# Altium PCB PCB2.PcbDoc (part 3 of 4) (continued)
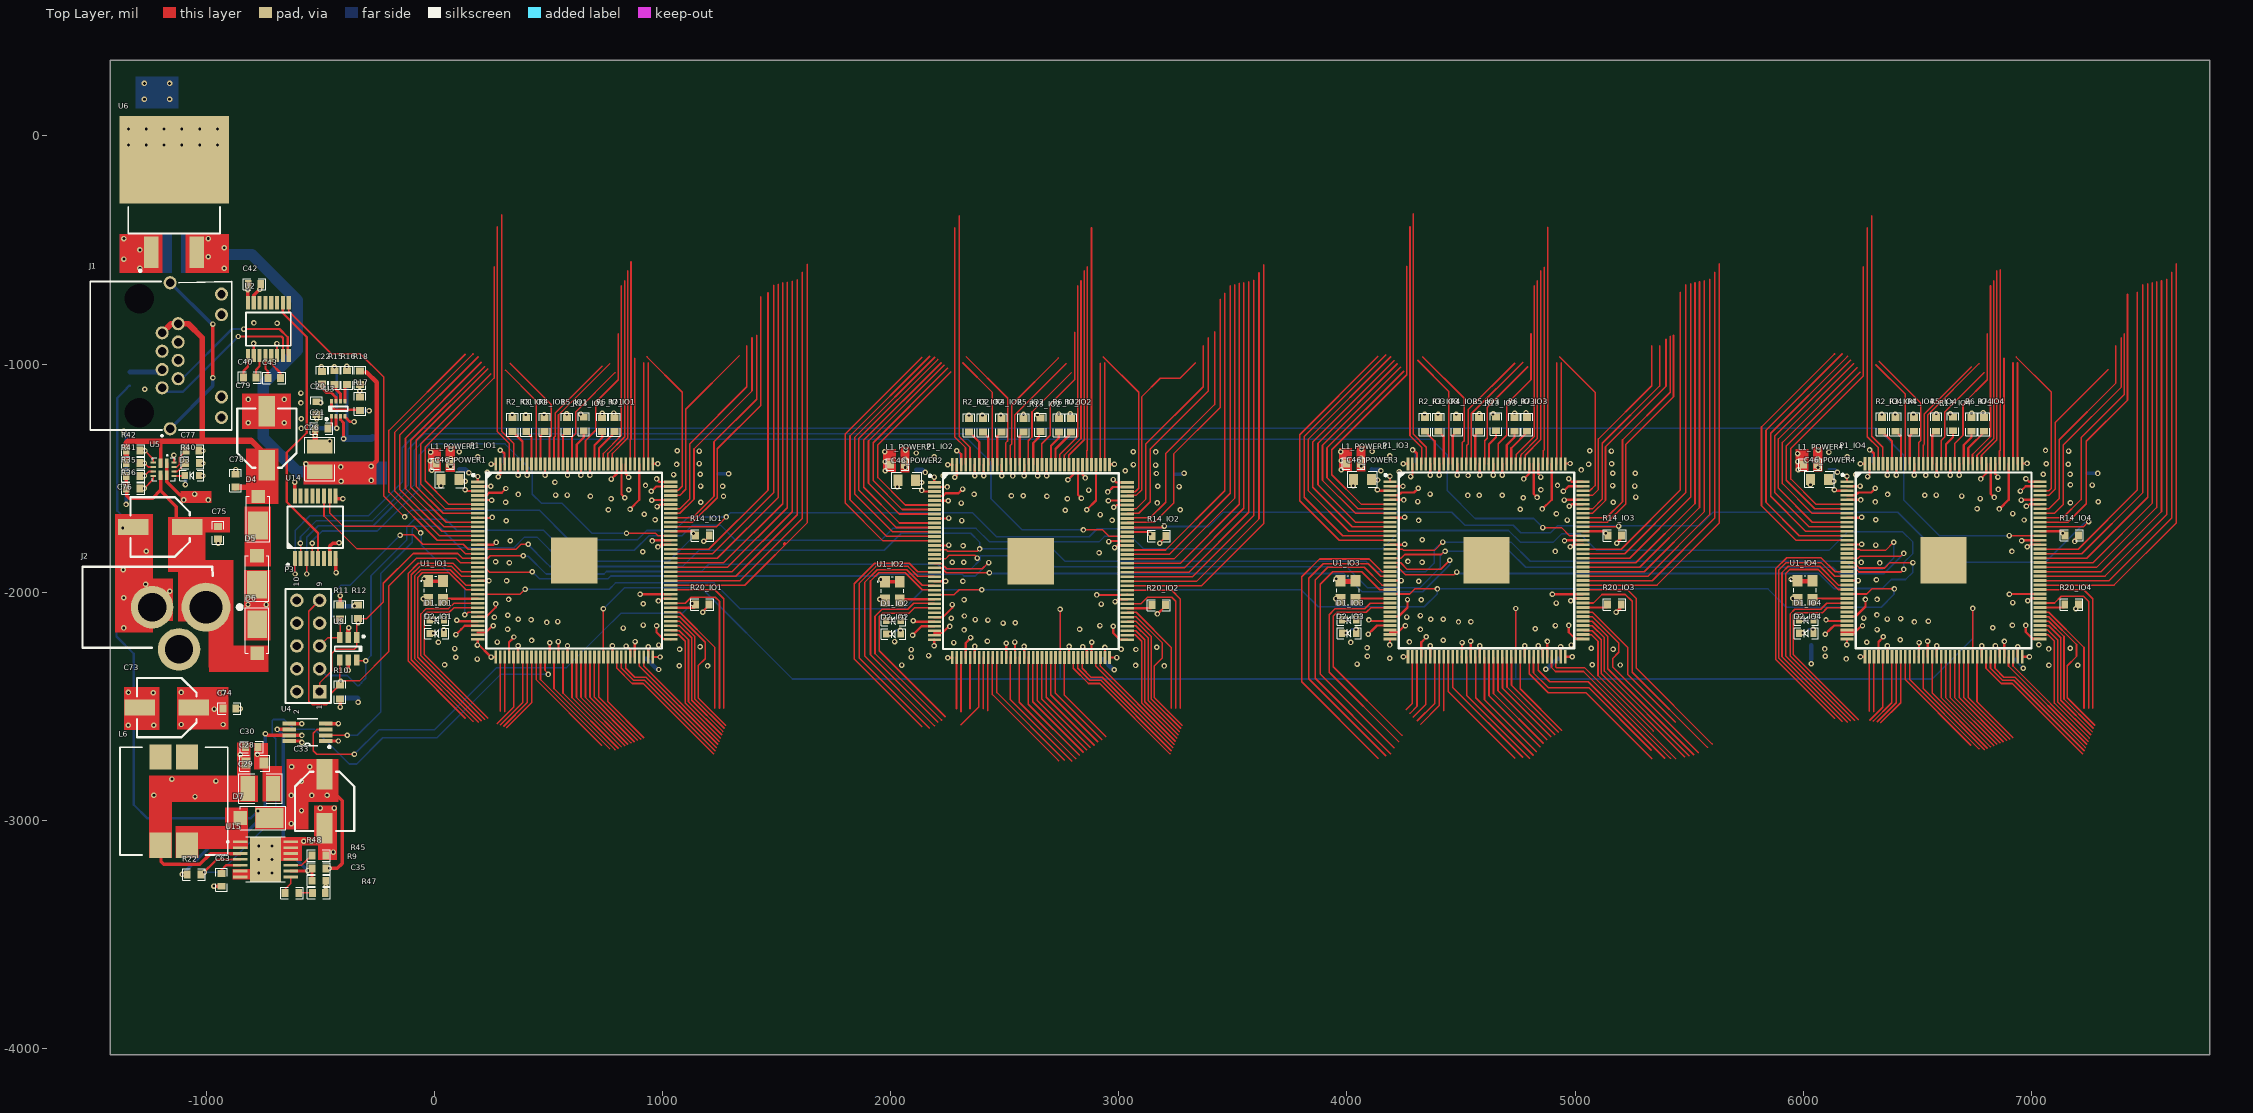
[diagram p0: Top Layer view]
## Nets (pads, with @x,y where several pads share a name; then routed paths per layer and width w, separated by ;. In a path a pad name is that pad's centre, name@x,y a point inside that pad or via, vN(x,y) a via of type N, cw(c..) or ccw(c..) an arc to the next point about the centre after c; other vN are vias at no path point) (continued)
GPIO_71_IO4: P1_IO4.77 | length 589.6
  Top Layer w7: P1_IO4.77@7036.22,-2126.8 7074.94,-2126.8 7142.2,-2194.06 7142.2,-2467.77 7270.97,-2596.53
GPIO_72_IO1: P1_IO1.78 | length 623.9
  Top Layer w7: P1_IO1.78@1036.22,-2107.12 1075.76,-2107.12 1187.2,-2218.56 1187.2,-2291.3 1156.2,-2322.3 1156.2,-2461.97 1276.76,-2582.53
GPIO_72_IO2: P1_IO2.78 | length 627.3
  Top Layer w7: P1_IO2.78@3036.22,-2107.12 3075.76,-2107.12 3191.27,-2222.63 3191.27,-2287.23 3156.2,-2322.3 3156.2,-2461.97 3276.76,-2582.53
GPIO_72_IO3: P1_IO3.78 | length 849.8
  Top Layer w7: P1_IO3.78@5036.22,-2107.12 5075.76,-2107.12 5191.27,-2222.63 5191.27,-2263.4 5164.83,-2289.84 5164.83,-2328.01 5540,-2703.18
GPIO_72_IO4: P1_IO4.78 | length 632.2
  Top Layer w7: P1_IO4.78@7036.22,-2107.12 7075.76,-2107.12 7197.22,-2228.58 7197.22,-2281.28 7156.2,-2322.3 7156.2,-2461.97 7276.76,-2582.53
GPIO_73_IO1: P1_IO1.79 | length 524.7
  Top Layer w7: P1_IO1.79@1036.22,-2087.43 1075.87,-2087.43 1230.05,-2241.61 1230.05,-2508.59
GPIO_73_IO2: P1_IO2.79 | length 524.7
  Top Layer w7: P1_IO2.79@3036.22,-2087.43 3075.87,-2087.43 3230.05,-2241.61 3230.05,-2508.59
GPIO_73_IO3: P1_IO3.79 | length 671
  Top Layer w7: P1_IO3.79@5036.22,-2087.43 5075.87,-2087.43 5230.05,-2241.61 5230.05,-2360.05 5438.53,-2568.53
GPIO_73_IO4: P1_IO4.79 | length 524.7
  Top Layer w7: P1_IO4.79@7036.22,-2087.43 7075.87,-2087.43 7230.05,-2241.61 7230.05,-2508.59
GPIO_74_IO1: P1_IO1.84 | length 727.6
  Top Layer w7: P1_IO1.84@1036.22,-1989.01 1228.94,-1989.01 1268.52,-2028.59 1268.52,-2507.46
GPIO_74_IO2: P1_IO2.84 | length 725.4
  Top Layer w7: P1_IO2.84@3037.32,-1991.61 3037.52,-1991.8 3231.74,-1991.8 3268.52,-2028.59 3268.52,-2507.46
GPIO_74_IO3: P1_IO3.84 | length 1022.3
  Top Layer w7: P1_IO3.84@5036.22,-1989.01 5228.94,-1989.01 5268.52,-2028.59 5268.52,-2333.4 5600,-2664.88
GPIO_74_IO4: P1_IO4.84 | length 727.6
  Top Layer w7: P1_IO4.84@7036.22,-1989.01 7228.94,-1989.01 7268.52,-2028.59 7268.52,-2507.46
ID0_IO1: P1_IO1.112 R24.1 | length 214.5
  Top Layer w10: v1(858,-1635.9) 898.9,-1595 P1_IO1.112@898.9,-1438.3
ID0_IO2: P1_IO2.112 R30.2 | length 214.5
  Top Layer w10: v1(2859.1,-1638.5) 2900,-1597.6 P1_IO2.112@2900,-1440.9
ID0_IO3: P1_IO3.112 R32.1 | length 214.5
  Top Layer w10: v1(4856,-1635.05) 4896.9,-1594.15 P1_IO3.112@4896.9,-1437.45
ID0_IO4: P1_IO4.112 R34.2 | length 214.5
  Top Layer w10: v1(6859,-1634.9) 6899.9,-1594 P1_IO4.112@6899.9,-1437.3
ID1_IO1: P1_IO1.123 R23.1 | length 48.9
  Top Layer w10: v1(682.37,-1487.25) P1_IO1.123@682.37,-1438.3
ID1_IO2: P1_IO2.123 R25.1 | length 48.9
  Top Layer w10: v1(2683.47,-1489.85) P1_IO2.123@2683.47,-1440.9
ID1_IO3: P1_IO3.123 R31.2 | length 48.9
  Top Layer w10: v1(4680.37,-1486.4) P1_IO3.123@4680.37,-1437.45
ID1_IO4: P1_IO4.123 R33.2 | length 48.9
  Top Layer w10: v1(6683.37,-1486.25) P1_IO4.123@6683.37,-1437.3
LED0_IO1: P1_IO1.32 R8_IO1.2 | length 94.4
  Top Layer w10: v1(98.2,-2122.3) 102.7,-2126.8 P1_IO1.32@190.71,-2126.8
LED0_IO2: P1_IO2.32 R8_IO2.2 | length 94.4
  Top Layer w10: v1(2099.3,-2124.9) 2103.8,-2129.4 P1_IO2.32@2191.81,-2129.4
LED0_IO3: P1_IO3.32 R8_IO3.2 | length 94.4
  Top Layer w10: v1(4096.2,-2121.45) 4100.7,-2125.95 P1_IO3.32@4188.71,-2125.95
LED0_IO4: P1_IO4.32 R8_IO4.2 | length 94.4
  Top Layer w10: v1(6099.2,-2121.3) 6103.7,-2125.8 P1_IO4.32@6191.71,-2125.8
LED1_IO1: P1_IO1.33 R21_IO1.2 | length 111.6
  Top Layer w10: v1(95.2,-2185.3) 118.11,-2162.39 134.01,-2146.49 P1_IO1.33@190.71,-2146.49
LED1_IO2: P1_IO2.33 R21_IO2.2 | length 111.6
  Top Layer w10: v1(2096.3,-2187.9) 2119.21,-2164.99 2135.11,-2149.09 P1_IO2.33@2191.81,-2149.09
LED1_IO3: P1_IO3.33 R21_IO3.2 | length 111.6
  Top Layer w10: v1(4093.2,-2184.45) 4116.11,-2161.54 4132.01,-2145.64 P1_IO3.33@4188.71,-2145.64
LED1_IO4: P1_IO4.33 R21_IO4.2 | length 111.6
  Top Layer w10: v1(6096.2,-2184.3) 6119.11,-2161.39 6135.01,-2145.49 P1_IO4.33@6191.71,-2145.49
NetC18_1: C18.1 L4.1 U3.3 | length 472.6
  Top Layer w12: U3.3@-410.59,-1228.8 -410.59,-1243.8 -397.4,-1256.99 v1(-397.4,-1326.8)
  Bottom Layer w12: v1@-393.12,-1322.52 -382,-1311.4 C18.1@-382,-1087.16
  Bottom Layer w30: v1(-397.4,-1326.8) -274.28,-1326.8 L4.1@-270,-1322.52
NetC18_2: C18.2 R16.2
  other v1: -384,-1010.5
NetC21_2: C21.2 U3.1 | length 60.3
  Top Layer w10: C21.2@-466.18,-1282.4 -449.96,-1266.17 U3.1@-449.96,-1228.8
NetC22_2: C22.2 U3.7 | length 113.7
  Top Layer w12: C22.2@-492.49,-1087.16 -492.49,-1104.51 -471.19,-1125.8 -450.16,-1125.8 -430.27,-1145.7 U3.7@-430.27,-1162.82
NetC25_2: C25.2 R17.1 R18.1 R19.1 | length 111.1
  Top Layer w12: R17.1@-326.2,-1144.2 v1(-326.2,-1117.1) -326.2,-1090 R18.1@-326.1,-1089.9
  Bottom Layer w12: R19.1@-326.2,-1144.2 -326.2,-1087.56 C25.2@-326.1,-1087.46
NetC35_2: C35.2 R47.1 | length 60.9
  Top Layer w7: R47.1@-593.5,-3317.6 -534.06,-3317.6 C35.2@-533.06,-3318.6
NetC63_2: C63.2 U15.5 | length 107.1
  Top Layer w10: C63.2@-931.5,-3233.04 -931.5,-3215.6 -912.23,-3196.33 U15.5@-849.83,-3196.33
NetC77_2: C77.2 U5.11 | length 101.2
  Top Layer w7: U5.11@-1140.6,-1450.96 -1128.69,-1450.96 -1117.66,-1439.93 -1117.66,-1409.27 C77.2@-1087.22,-1378.83
NetD1_IO1_1: D1_IO1.1 R8_IO1.1
  other v1: 41.3,-2115.2
NetD1_IO2_1: D1_IO2.1 R8_IO2.1
  other v1: 2042.4,-2117.8
NetD1_IO3_1: D1_IO3.1 R8_IO3.1
  other v1: 4039.3,-2114.35
NetD1_IO4_1: D1_IO4.1 R8_IO4.1
  other v1: 6042.3,-2114.2
NetD2_IO1_1: D2_IO1.1 R21_IO1.1 | length 18.7
  Bottom Layer w10: R21_IO1.1@23,-2163.5 v1(41.7,-2163.5)
NetD2_IO2_1: D2_IO2.1 R21_IO2.1 | length 18.7
  Bottom Layer w10: R21_IO2.1@2024.1,-2166.1 v1(2042.8,-2166.1)
NetD2_IO3_1: D2_IO3.1 R21_IO3.1 | length 18.7
  Bottom Layer w10: R21_IO3.1@4021,-2162.65 v1(4039.7,-2162.65)
NetD2_IO4_1: D2_IO4.1 R21_IO4.1 | length 18.7
  Bottom Layer w10: R21_IO4.1@6024,-2162.5 v1(6042.7,-2162.5)
NetD3_1: D3.1 R37.2
  other v1: -1013.76,-1489.53
NetD3_2: D3.2 U5.9 | length 47.8
  Top Layer w7: U5.9@-1140.6,-1490.33 -1096.12,-1490.33 D3.2@-1093.77,-1487.98
NetD4_1: D4.1 D5.2
NetD7_2: D7.2 L6.2 U15.1 U15.2
NetP1_IO1_15: P1_IO1.15 R1_IO1.2 | length 85.1
  Top Layer w10: P1_IO1.15@190.71,-1792.16 258.55,-1792.16 269.19,-1781.52 v1(271.41,-1781.52)
NetP1_IO1_121: P1_IO1.121 R7_IO1.2 | length 174.1
  Top Layer w10: P1_IO1.121@721.74,-1438.3 721.74,-1369.27 795.7,-1295.3 R7_IO1.2@796.2,-1295.3
NetP1_IO1_122: P1_IO1.122 R6_IO1.2 | length 157.1
  Top Layer w10: P1_IO1.122@702.05,-1438.3 702.05,-1355.59 736.2,-1321.44 R6_IO1.2@736.2,-1295.3
NetP1_IO1_126: P1_IO1.126 R13_IO1.2 | length 158.2
  Top Layer w10: P1_IO1.126@623.31,-1438.3 624.01,-1437.6 624.01,-1352.71 655.2,-1321.52 R13_IO1.2@655.2,-1293.3
NetP1_IO1_129: P1_IO1.129 R5_IO1.2 | length 150
  Top Layer w10: P1_IO1.129@564.26,-1438.3 564.26,-1312.24 R5_IO1.2@581.2,-1295.3
NetP1_IO1_134: P1_IO1.134 R4_IO1.2 | length 150.6
  Top Layer w10: P1_IO1.134@465.83,-1438.3 465.83,-1313.67 R4_IO1.2@484.2,-1295.3
NetP1_IO1_136: P1_IO1.136 R3_IO1.2 | length 152.6
  Top Layer w10: R3_IO1.2@403.2,-1295.3 426.46,-1318.56 P1_IO1.136@426.46,-1438.3
NetP1_IO1_138: P1_IO1.138 R2_IO1.2 | length 161.2
  Top Layer w10: R2_IO1.2@343.2,-1295.3 387.09,-1339.19 P1_IO1.138@387.09,-1438.3
NetP1_IO2_15: P1_IO2.15 R1_IO2.2 | length 64.2
  Top Layer w10: P1_IO2.15@2191.81,-1794.76 2253.55,-1794.76 v1(2255.3,-1793.01)
NetP1_IO2_121: P1_IO2.121 R7_IO2.2 | length 174.1
  Top Layer w10: P1_IO2.121@2722.84,-1440.9 2722.84,-1371.87 2796.8,-1297.9 R7_IO2.2@2797.3,-1297.9
NetP1_IO2_122: P1_IO2.122 R6_IO2.2 | length 157.1
  Top Layer w10: P1_IO2.122@2703.15,-1440.9 2703.15,-1358.19 2737.3,-1324.04 R6_IO2.2@2737.3,-1297.9
NetP1_IO2_126: P1_IO2.126 R13_IO2.2 | length 158.2
  Top Layer w10: P1_IO2.126@2624.41,-1440.9 2625.11,-1440.2 2625.11,-1345.49 2650.56,-1320.04 2650.56,-1301.64 R13_IO2.2@2656.3,-1295.9
NetP1_IO2_129: P1_IO2.129 R5_IO2.2 | length 150
  Top Layer w10: P1_IO2.129@2565.36,-1440.9 2565.36,-1314.84 R5_IO2.2@2582.3,-1297.9
NetP1_IO2_134: P1_IO2.134 R4_IO2.2 | length 150.6
  Top Layer w10: P1_IO2.134@2466.93,-1440.9 2466.93,-1316.27 R4_IO2.2@2485.3,-1297.9
NetP1_IO2_136: P1_IO2.136 R3_IO2.2 | length 152.6
  Top Layer w10: R3_IO2.2@2404.3,-1297.9 2427.56,-1321.16 P1_IO2.136@2427.56,-1440.9
NetP1_IO2_138: P1_IO2.138 R2_IO2.2 | length 161.2
  Top Layer w10: R2_IO2.2@2344.3,-1297.9 2388.19,-1341.79 P1_IO2.138@2388.19,-1440.9
NetP1_IO3_15: P1_IO3.15 R1_IO3.2 | length 64.2
  Top Layer w10: P1_IO3.15@4188.71,-1791.31 4250.45,-1791.31 v1(4252.2,-1789.56)
NetP1_IO3_121: P1_IO3.121 R7_IO3.2 | length 174.1
  Top Layer w10: P1_IO3.121@4719.74,-1437.45 4719.74,-1368.42 4793.7,-1294.45 R7_IO3.2@4794.2,-1294.45
NetP1_IO3_122: P1_IO3.122 R6_IO3.2 | length 157.1
  Top Layer w10: P1_IO3.122@4700.05,-1437.45 4700.05,-1354.74 4734.2,-1320.59 R6_IO3.2@4734.2,-1294.45
NetP1_IO3_126: P1_IO3.126 R13_IO3.2 | length 158.2
  Top Layer w10: P1_IO3.126@4621.31,-1437.45 4622.01,-1436.75 4622.01,-1351.86 4653.2,-1320.67 R13_IO3.2@4653.2,-1292.45
NetP1_IO3_129: P1_IO3.129 R5_IO3.2 | length 150
  Top Layer w10: P1_IO3.129@4562.26,-1437.45 4562.26,-1311.4 R5_IO3.2@4579.2,-1294.45
NetP1_IO3_134: P1_IO3.134 R4_IO3.2 | length 150.6
  Top Layer w10: P1_IO3.134@4463.83,-1437.45 4463.83,-1312.82 R4_IO3.2@4482.2,-1294.45
NetP1_IO3_136: P1_IO3.136 R3_IO3.2 | length 152.6
  Top Layer w10: R3_IO3.2@4401.2,-1294.45 4424.46,-1317.71 P1_IO3.136@4424.46,-1437.45
NetP1_IO3_138: P1_IO3.138 R2_IO3.2 | length 161.2
  Top Layer w10: R2_IO3.2@4341.2,-1294.45 4385.09,-1338.34 P1_IO3.138@4385.09,-1437.45
NetP1_IO4_15: P1_IO4.15 R1_IO4.2 | length 64.2
  Top Layer w10: P1_IO4.15@6191.71,-1791.16 6253.45,-1791.16 v1(6255.2,-1789.41)
NetP1_IO4_121: P1_IO4.121 R7_IO4.2 | length 174.1
  Top Layer w10: P1_IO4.121@6722.74,-1437.3 6722.74,-1368.27 6796.7,-1294.3 R7_IO4.2@6797.2,-1294.3
NetP1_IO4_122: P1_IO4.122 R6_IO4.2 | length 157.1
  Top Layer w10: P1_IO4.122@6703.05,-1437.3 6703.05,-1354.59 6737.2,-1320.44 R6_IO4.2@6737.2,-1294.3
NetP1_IO4_126: P1_IO4.126 R13_IO4.2 | length 158.2
  Top Layer w10: P1_IO4.126@6624.31,-1437.3 6625.01,-1436.6 6625.01,-1351.71 6656.2,-1320.52 R13_IO4.2@6656.2,-1292.3
NetP1_IO4_129: P1_IO4.129 R5_IO4.2 | length 150
  Top Layer w10: P1_IO4.129@6565.26,-1437.3 6565.26,-1311.24 R5_IO4.2@6582.2,-1294.3
NetP1_IO4_134: P1_IO4.134 R4_IO4.2 | length 150.6
  Top Layer w10: P1_IO4.134@6466.83,-1437.3 6466.83,-1312.67 R4_IO4.2@6485.2,-1294.3
NetP1_IO4_136: P1_IO4.136 R3_IO4.2 | length 152.6
  Top Layer w10: R3_IO4.2@6404.2,-1294.3 6427.46,-1317.56 P1_IO4.136@6427.46,-1437.3
NetP1_IO4_138: P1_IO4.138 R2_IO4.2 | length 161.2
  Top Layer w10: R2_IO4.2@6344.2,-1294.3 6388.09,-1338.19 P1_IO4.138@6388.09,-1437.3
NetR15_1: R15.1 U3.6 | length 84.2
  Top Layer w12: R15.1@-437.11,-1089.6 -437.11,-1103.68 -410.59,-1130.2 U3.6@-410.59,-1162.82
NetR16_1: R16.1 U3.5 | length 76.9
  Top Layer w12: U3.5@-390.9,-1162.82 -390.9,-1098.5 R16.1@-382,-1089.6
NetR17_2: R17.2 U3.8 | length 155.6
  Top Layer w12: U3.8@-449.96,-1162.82 -450,-1162.86 -450,-1187.76 -437.54,-1200.22 -330.18,-1200.22 R17.2@-326.2,-1204.2
NetR26_U_VoltageAmplifier11_2: 
NetR26_U_VoltageAmplifier12_2: 
NetR26_U_VoltageAmplifier13_2: 
NetR26_U_VoltageAmplifier14_2: 
NetR26_U_VoltageAmplifier21_2: 
NetR26_U_VoltageAmplifier22_2: 
NetR26_U_VoltageAmplifier23_2: 
NetR26_U_VoltageAmplifier24_2: 
NetR26_U_VoltageAmplifier31_2: 
NetR26_U_VoltageAmplifier32_2: 
NetR26_U_VoltageAmplifier33_2: 
NetR26_U_VoltageAmplifier34_2: 
NetR26_U_VoltageAmplifier41_2: 
NetR26_U_VoltageAmplifier42_2: 
NetR26_U_VoltageAmplifier43_2: 
NetR26_U_VoltageAmplifier44_2: 
NetR26_U_VoltageAmplifier51_2: 
NetR26_U_VoltageAmplifier52_2: 
NetR26_U_VoltageAmplifier53_2: 
NetR26_U_VoltageAmplifier54_2: 
NetR26_U_VoltageAmplifier61_2: 
NetR26_U_VoltageAmplifier62_2: 
NetR26_U_VoltageAmplifier63_2: 
NetR26_U_VoltageAmplifier64_2: 
NetR26_U_VoltageAmplifier71_2: 
NetR26_U_VoltageAmplifier72_2: 
NetR26_U_VoltageAmplifier73_2: 
NetR26_U_VoltageAmplifier74_2: 
NetR26_U_VoltageAmplifier81_2: 
NetR26_U_VoltageAmplifier82_2: 
NetR26_U_VoltageAmplifier83_2: 
NetR26_U_VoltageAmplifier84_2: 
NetR26_U_VoltageAmplifier91_2: 
NetR26_U_VoltageAmplifier92_2: 
NetR26_U_VoltageAmplifier93_2: 
NetR26_U_VoltageAmplifier94_2: 
NetR26_U_VoltageAmplifier101_2: 
NetR26_U_VoltageAmplifier102_2: 
NetR26_U_VoltageAmplifier103_2: 
NetR26_U_VoltageAmplifier104_2: 
NetR26_U_VoltageAmplifier111_2: 
NetR26_U_VoltageAmplifier112_2: 
NetR26_U_VoltageAmplifier113_2: 
NetR26_U_VoltageAmplifier114_2: 
NetR26_U_VoltageAmplifier121_2: 
NetR26_U_VoltageAmplifier122_2: 
NetR26_U_VoltageAmplifier123_2: 
NetR26_U_VoltageAmplifier124_2: 
NetR26_U_VoltageAmplifier131_2: 
NetR26_U_VoltageAmplifier132_2: 
NetR26_U_VoltageAmplifier133_2: 
NetR26_U_VoltageAmplifier134_2: 
NetR26_U_VoltageAmplifier141_2: 
NetR26_U_VoltageAmplifier142_2: 
NetR26_U_VoltageAmplifier143_2: 
NetR26_U_VoltageAmplifier144_2: 
NetR26_U_VoltageAmplifier151_2: 
NetR26_U_VoltageAmplifier152_2: 
NetR26_U_VoltageAmplifier153_2: 
NetR26_U_VoltageAmplifier154_2: 
NetR26_U_VoltageAmplifier161_2: 
NetR26_U_VoltageAmplifier162_2: 
NetR26_U_VoltageAmplifier163_2: 
NetR26_U_VoltageAmplifier164_2: 
NetR26_U_VoltageAmplifier171_2: 
NetR26_U_VoltageAmplifier172_2: 
NetR26_U_VoltageAmplifier173_2: 
NetR26_U_VoltageAmplifier174_2: 
NetR26_U_VoltageAmplifier181_2: 
NetR26_U_VoltageAmplifier182_2: 
NetR26_U_VoltageAmplifier183_2: 
NetR26_U_VoltageAmplifier184_2: 
NetR26_U_VoltageAmplifier191_2: 
NetR26_U_VoltageAmplifier192_2: 
NetR26_U_VoltageAmplifier193_2: 
NetR26_U_VoltageAmplifier194_2: 
NetR26_U_VoltageAmplifier201_2: 
NetR26_U_VoltageAmplifier202_2: 
NetR26_U_VoltageAmplifier203_2: 
NetR26_U_VoltageAmplifier204_2: 
NetR26_U_VoltageAmplifier211_2: 
NetR26_U_VoltageAmplifier212_2: 
NetR26_U_VoltageAmplifier213_2: 
NetR26_U_VoltageAmplifier214_2: 
NetR26_U_VoltageAmplifier221_2: 
NetR26_U_VoltageAmplifier222_2: 
NetR26_U_VoltageAmplifier223_2: 
NetR26_U_VoltageAmplifier224_2: 
NetR26_U_VoltageAmplifier231_2: 
NetR26_U_VoltageAmplifier232_2: 
NetR26_U_VoltageAmplifier233_2: 
NetR26_U_VoltageAmplifier234_2: 
NetR26_U_VoltageAmplifier241_2: 
NetR26_U_VoltageAmplifier242_2: 
NetR26_U_VoltageAmplifier243_2: 
NetR26_U_VoltageAmplifier244_2: 
NetR26_U_VoltageAmplifier251_2: 
NetR26_U_VoltageAmplifier252_2: 
NetR26_U_VoltageAmplifier253_2: 
NetR26_U_VoltageAmplifier254_2: 
NetR26_U_VoltageAmplifier261_2: 
NetR26_U_VoltageAmplifier262_2: 
NetR26_U_VoltageAmplifier263_2: 
NetR26_U_VoltageAmplifier264_2: 
NetR26_U_VoltageAmplifier271_2: 
NetR26_U_VoltageAmplifier272_2: 
NetR26_U_VoltageAmplifier273_2: 
NetR26_U_VoltageAmplifier274_2: 
NetR26_U_VoltageAmplifier281_2: 
NetR26_U_VoltageAmplifier282_2: 
NetR26_U_VoltageAmplifier283_2: 
NetR26_U_VoltageAmplifier284_2: 
NetR26_U_VoltageAmplifier291_2: 
NetR26_U_VoltageAmplifier292_2: 
NetR26_U_VoltageAmplifier293_2: 
NetR26_U_VoltageAmplifier294_2: 
NetR26_U_VoltageAmplifier301_2: 
NetR26_U_VoltageAmplifier302_2: 
NetR26_U_VoltageAmplifier303_2: 
NetR26_U_VoltageAmplifier304_2: 
NetR26_U_VoltageAmplifier311_2: 
NetR26_U_VoltageAmplifier312_2: 
NetR26_U_VoltageAmplifier313_2: 
NetR26_U_VoltageAmplifier314_2: 
NetR26_U_VoltageAmplifier321_2: 
NetR26_U_VoltageAmplifier322_2: 
NetR26_U_VoltageAmplifier323_2: 
NetR26_U_VoltageAmplifier324_2: 
NetR26_U_VoltageAmplifier331_2: 
NetR26_U_VoltageAmplifier332_2: 
NetR26_U_VoltageAmplifier333_2: 
NetR26_U_VoltageAmplifier334_2: 
NetR26_U_VoltageAmplifier341_2: 
NetR26_U_VoltageAmplifier342_2: 
NetR26_U_VoltageAmplifier343_2: 
NetR26_U_VoltageAmplifier344_2: 
NetR26_U_VoltageAmplifier351_2: 
NetR26_U_VoltageAmplifier352_2: 
NetR26_U_VoltageAmplifier353_2: 
NetR26_U_VoltageAmplifier354_2: 
NetR26_U_VoltageAmplifier361_2: 
NetR26_U_VoltageAmplifier362_2: 
NetR26_U_VoltageAmplifier363_2: 
NetR26_U_VoltageAmplifier364_2: 
NetR26_U_VoltageAmplifier371_2: 
NetR26_U_VoltageAmplifier372_2: 
NetR26_U_VoltageAmplifier373_2: 
NetR26_U_VoltageAmplifier374_2: 
NetR26_U_VoltageAmplifier381_2: 
NetR26_U_VoltageAmplifier382_2: 
NetR26_U_VoltageAmplifier383_2: 
NetR26_U_VoltageAmplifier384_2: 
NetR27_U_VoltageAmplifier11_1: 
NetR27_U_VoltageAmplifier12_1: 
NetR27_U_VoltageAmplifier13_1: 
NetR27_U_VoltageAmplifier14_1: 
NetR27_U_VoltageAmplifier21_1: 
NetR27_U_VoltageAmplifier22_1: 
NetR27_U_VoltageAmplifier23_1: 
NetR27_U_VoltageAmplifier24_1: 
NetR27_U_VoltageAmplifier31_1: 
NetR27_U_VoltageAmplifier32_1: 
NetR27_U_VoltageAmplifier33_1: 
NetR27_U_VoltageAmplifier34_1: 
NetR27_U_VoltageAmplifier41_1: 
NetR27_U_VoltageAmplifier42_1: 
NetR27_U_VoltageAmplifier43_1: 
NetR27_U_VoltageAmplifier44_1: 
NetR27_U_VoltageAmplifier51_1: 
NetR27_U_VoltageAmplifier52_1: 
NetR27_U_VoltageAmplifier53_1: 
NetR27_U_VoltageAmplifier54_1: 
NetR27_U_VoltageAmplifier61_1: 
NetR27_U_VoltageAmplifier62_1: 
NetR27_U_VoltageAmplifier63_1: 
NetR27_U_VoltageAmplifier64_1: 
NetR27_U_VoltageAmplifier71_1: 
NetR27_U_VoltageAmplifier72_1: 
NetR27_U_VoltageAmplifier73_1: 
NetR27_U_VoltageAmplifier74_1: 
NetR27_U_VoltageAmplifier81_1: 
NetR27_U_VoltageAmplifier82_1: 
NetR27_U_VoltageAmplifier83_1: 
NetR27_U_VoltageAmplifier84_1: 
NetR27_U_VoltageAmplifier91_1: 
NetR27_U_VoltageAmplifier92_1: 
NetR27_U_VoltageAmplifier93_1: 
NetR27_U_VoltageAmplifier94_1: 
NetR27_U_VoltageAmplifier101_1: 
NetR27_U_VoltageAmplifier102_1: 
NetR27_U_VoltageAmplifier103_1: 
NetR27_U_VoltageAmplifier104_1: 
NetR27_U_VoltageAmplifier111_1: 
NetR27_U_VoltageAmplifier112_1: 
NetR27_U_VoltageAmplifier113_1: 
NetR27_U_VoltageAmplifier114_1: 
NetR27_U_VoltageAmplifier121_1: 
NetR27_U_VoltageAmplifier122_1: 
NetR27_U_VoltageAmplifier123_1: 
NetR27_U_VoltageAmplifier124_1: 
NetR27_U_VoltageAmplifier131_1: 
NetR27_U_VoltageAmplifier132_1: 
NetR27_U_VoltageAmplifier133_1: 
NetR27_U_VoltageAmplifier134_1: 
NetR27_U_VoltageAmplifier141_1: 
NetR27_U_VoltageAmplifier142_1: 
NetR27_U_VoltageAmplifier143_1: 
NetR27_U_VoltageAmplifier144_1: 
NetR27_U_VoltageAmplifier151_1: 
NetR27_U_VoltageAmplifier152_1: 
NetR27_U_VoltageAmplifier153_1: 
NetR27_U_VoltageAmplifier154_1: 
NetR27_U_VoltageAmplifier161_1: 
NetR27_U_VoltageAmplifier162_1: 
NetR27_U_VoltageAmplifier163_1: 
NetR27_U_VoltageAmplifier164_1: 
NetR27_U_VoltageAmplifier171_1: 
NetR27_U_VoltageAmplifier172_1: 
NetR27_U_VoltageAmplifier173_1: 
NetR27_U_VoltageAmplifier174_1: 
NetR27_U_VoltageAmplifier181_1: 
NetR27_U_VoltageAmplifier182_1: 
NetR27_U_VoltageAmplifier183_1: 
NetR27_U_VoltageAmplifier184_1: 
NetR27_U_VoltageAmplifier191_1: 
NetR27_U_VoltageAmplifier192_1: 
NetR27_U_VoltageAmplifier193_1: 
NetR27_U_VoltageAmplifier194_1: 
NetR27_U_VoltageAmplifier201_1: 
NetR27_U_VoltageAmplifier202_1: 
NetR27_U_VoltageAmplifier203_1: 
NetR27_U_VoltageAmplifier204_1: 
NetR27_U_VoltageAmplifier211_1: 
NetR27_U_VoltageAmplifier212_1: 
NetR27_U_VoltageAmplifier213_1: 
NetR27_U_VoltageAmplifier214_1: 
NetR27_U_VoltageAmplifier221_1: 
NetR27_U_VoltageAmplifier222_1: 
NetR27_U_VoltageAmplifier223_1: 
NetR27_U_VoltageAmplifier224_1: 
NetR27_U_VoltageAmplifier231_1: 
NetR27_U_VoltageAmplifier232_1: 
NetR27_U_VoltageAmplifier233_1: 
NetR27_U_VoltageAmplifier234_1: 
NetR27_U_VoltageAmplifier241_1: 
NetR27_U_VoltageAmplifier242_1: 
NetR27_U_VoltageAmplifier243_1: 
NetR27_U_VoltageAmplifier244_1: 
NetR27_U_VoltageAmplifier251_1: 
NetR27_U_VoltageAmplifier252_1: 
NetR27_U_VoltageAmplifier253_1: 
NetR27_U_VoltageAmplifier254_1: 
NetR27_U_VoltageAmplifier261_1: 
NetR27_U_VoltageAmplifier262_1: 
NetR27_U_VoltageAmplifier263_1: 
NetR27_U_VoltageAmplifier264_1: 
NetR27_U_VoltageAmplifier271_1: 
NetR27_U_VoltageAmplifier272_1: 
NetR27_U_VoltageAmplifier273_1: 
NetR27_U_VoltageAmplifier274_1: 
NetR27_U_VoltageAmplifier281_1: 
NetR27_U_VoltageAmplifier282_1: 
NetR27_U_VoltageAmplifier283_1: 
NetR27_U_VoltageAmplifier284_1: 
NetR27_U_VoltageAmplifier291_1: 
NetR27_U_VoltageAmplifier292_1: 
NetR27_U_VoltageAmplifier293_1: 
NetR27_U_VoltageAmplifier294_1: 
NetR27_U_VoltageAmplifier301_1: 
NetR27_U_VoltageAmplifier302_1: 
NetR27_U_VoltageAmplifier303_1: 
NetR27_U_VoltageAmplifier304_1: 
NetR27_U_VoltageAmplifier311_1: 
NetR27_U_VoltageAmplifier312_1: 
NetR27_U_VoltageAmplifier313_1: 
NetR27_U_VoltageAmplifier314_1: 
NetR27_U_VoltageAmplifier321_1: 
NetR27_U_VoltageAmplifier322_1: 
NetR27_U_VoltageAmplifier323_1: 
NetR27_U_VoltageAmplifier324_1: 
NetR27_U_VoltageAmplifier331_1: 
NetR27_U_VoltageAmplifier332_1: 
NetR27_U_VoltageAmplifier333_1: 
NetR27_U_VoltageAmplifier334_1: 
NetR27_U_VoltageAmplifier341_1: 
NetR27_U_VoltageAmplifier342_1: 
NetR27_U_VoltageAmplifier343_1: 
NetR27_U_VoltageAmplifier344_1: 
NetR27_U_VoltageAmplifier351_1: 
NetR27_U_VoltageAmplifier352_1: 
NetR27_U_VoltageAmplifier353_1: 
NetR27_U_VoltageAmplifier354_1: 
NetR27_U_VoltageAmplifier361_1: 
NetR27_U_VoltageAmplifier362_1: 
NetR27_U_VoltageAmplifier363_1: 
NetR27_U_VoltageAmplifier364_1: 
NetR27_U_VoltageAmplifier371_1: 
NetR27_U_VoltageAmplifier372_1: 
NetR27_U_VoltageAmplifier373_1: 
NetR27_U_VoltageAmplifier374_1: 
NetR27_U_VoltageAmplifier381_1: 
NetR27_U_VoltageAmplifier382_1: 
NetR27_U_VoltageAmplifier383_1: 
NetR27_U_VoltageAmplifier384_1: 
NetR28_U_VoltageAmplifier11_2: 
NetR28_U_VoltageAmplifier12_2: 
NetR28_U_VoltageAmplifier13_2: 
NetR28_U_VoltageAmplifier14_2: 
NetR28_U_VoltageAmplifier21_2: 
NetR28_U_VoltageAmplifier22_2: 
NetR28_U_VoltageAmplifier23_2: 
NetR28_U_VoltageAmplifier24_2: 
NetR28_U_VoltageAmplifier31_2: 
NetR28_U_VoltageAmplifier32_2: 
NetR28_U_VoltageAmplifier33_2: 
NetR28_U_VoltageAmplifier34_2: 
NetR28_U_VoltageAmplifier41_2: 
NetR28_U_VoltageAmplifier42_2: 
NetR28_U_VoltageAmplifier43_2: 
NetR28_U_VoltageAmplifier44_2: 
NetR28_U_VoltageAmplifier51_2: 
NetR28_U_VoltageAmplifier52_2: 
NetR28_U_VoltageAmplifier53_2: 
NetR28_U_VoltageAmplifier54_2: 
NetR28_U_VoltageAmplifier61_2: 
NetR28_U_VoltageAmplifier62_2: 
NetR28_U_VoltageAmplifier63_2: 
NetR28_U_VoltageAmplifier64_2: 
NetR28_U_VoltageAmplifier71_2: 
NetR28_U_VoltageAmplifier72_2: 
NetR28_U_VoltageAmplifier73_2: 
NetR28_U_VoltageAmplifier74_2: 
NetR28_U_VoltageAmplifier81_2: 
NetR28_U_VoltageAmplifier82_2: 
NetR28_U_VoltageAmplifier83_2: 
NetR28_U_VoltageAmplifier84_2: 
NetR28_U_VoltageAmplifier91_2: 
NetR28_U_VoltageAmplifier92_2: 
NetR28_U_VoltageAmplifier93_2: 
NetR28_U_VoltageAmplifier94_2: 
NetR28_U_VoltageAmplifier101_2: 
NetR28_U_VoltageAmplifier102_2: 
NetR28_U_VoltageAmplifier103_2: 
NetR28_U_VoltageAmplifier104_2: 
NetR28_U_VoltageAmplifier111_2: 
NetR28_U_VoltageAmplifier112_2: 
NetR28_U_VoltageAmplifier113_2: 
NetR28_U_VoltageAmplifier114_2: 
NetR28_U_VoltageAmplifier121_2: 
NetR28_U_VoltageAmplifier122_2: 
NetR28_U_VoltageAmplifier123_2: 
NetR28_U_VoltageAmplifier124_2: 
NetR28_U_VoltageAmplifier131_2: 
NetR28_U_VoltageAmplifier132_2: 
NetR28_U_VoltageAmplifier133_2: 
NetR28_U_VoltageAmplifier134_2: 
NetR28_U_VoltageAmplifier141_2: 
NetR28_U_VoltageAmplifier142_2: 
NetR28_U_VoltageAmplifier143_2: 
NetR28_U_VoltageAmplifier144_2: 
NetR28_U_VoltageAmplifier151_2: 
NetR28_U_VoltageAmplifier152_2: 
NetR28_U_VoltageAmplifier153_2: 
NetR28_U_VoltageAmplifier154_2: 
NetR28_U_VoltageAmplifier161_2: 
NetR28_U_VoltageAmplifier162_2: 
NetR28_U_VoltageAmplifier163_2: 
NetR28_U_VoltageAmplifier164_2: 
NetR28_U_VoltageAmplifier171_2: 
NetR28_U_VoltageAmplifier172_2: 
NetR28_U_VoltageAmplifier173_2: 
NetR28_U_VoltageAmplifier174_2: 
NetR28_U_VoltageAmplifier181_2: 
NetR28_U_VoltageAmplifier182_2: 
NetR28_U_VoltageAmplifier183_2: 
NetR28_U_VoltageAmplifier184_2: 
NetR28_U_VoltageAmplifier191_2: 
NetR28_U_VoltageAmplifier192_2: 
NetR28_U_VoltageAmplifier193_2: 
NetR28_U_VoltageAmplifier194_2: 
NetR28_U_VoltageAmplifier201_2: 
NetR28_U_VoltageAmplifier202_2: 
NetR28_U_VoltageAmplifier203_2: 
NetR28_U_VoltageAmplifier204_2: 
NetR28_U_VoltageAmplifier211_2: 
NetR28_U_VoltageAmplifier212_2: 
NetR28_U_VoltageAmplifier213_2: 
NetR28_U_VoltageAmplifier214_2: 
NetR28_U_VoltageAmplifier221_2: 
NetR28_U_VoltageAmplifier222_2: 
NetR28_U_VoltageAmplifier223_2: 
NetR28_U_VoltageAmplifier224_2: 
NetR28_U_VoltageAmplifier231_2: 
NetR28_U_VoltageAmplifier232_2: 
NetR28_U_VoltageAmplifier233_2: 
NetR28_U_VoltageAmplifier234_2: 
NetR28_U_VoltageAmplifier241_2: 
NetR28_U_VoltageAmplifier242_2: 
NetR28_U_VoltageAmplifier243_2: 
NetR28_U_VoltageAmplifier244_2: 
NetR28_U_VoltageAmplifier251_2: 
NetR28_U_VoltageAmplifier252_2: 
NetR28_U_VoltageAmplifier253_2: 
NetR28_U_VoltageAmplifier254_2: 
NetR28_U_VoltageAmplifier261_2: 
NetR28_U_VoltageAmplifier262_2: 
NetR28_U_VoltageAmplifier263_2: 
NetR28_U_VoltageAmplifier264_2: 
NetR28_U_VoltageAmplifier271_2: 
NetR28_U_VoltageAmplifier272_2: 
NetR28_U_VoltageAmplifier273_2: 
NetR28_U_VoltageAmplifier274_2: 
NetR28_U_VoltageAmplifier281_2: 
NetR28_U_VoltageAmplifier282_2: 
NetR28_U_VoltageAmplifier283_2: 
NetR28_U_VoltageAmplifier284_2: 
NetR28_U_VoltageAmplifier291_2: 
NetR28_U_VoltageAmplifier292_2: 
NetR28_U_VoltageAmplifier293_2: 
NetR28_U_VoltageAmplifier294_2: 
NetR28_U_VoltageAmplifier301_2: 
NetR28_U_VoltageAmplifier302_2: 
NetR28_U_VoltageAmplifier303_2: 
NetR28_U_VoltageAmplifier304_2: 
NetR28_U_VoltageAmplifier311_2: 
NetR28_U_VoltageAmplifier312_2: 
NetR28_U_VoltageAmplifier313_2: 
NetR28_U_VoltageAmplifier314_2: 
NetR28_U_VoltageAmplifier321_2: 
NetR28_U_VoltageAmplifier322_2: 
NetR28_U_VoltageAmplifier323_2: 
NetR28_U_VoltageAmplifier324_2: 
NetR28_U_VoltageAmplifier331_2: 
NetR28_U_VoltageAmplifier332_2: 
NetR28_U_VoltageAmplifier333_2: 
NetR28_U_VoltageAmplifier334_2: 
NetR28_U_VoltageAmplifier341_2: 
NetR28_U_VoltageAmplifier342_2: 
NetR28_U_VoltageAmplifier343_2: 
NetR28_U_VoltageAmplifier344_2: 
NetR28_U_VoltageAmplifier351_2: 
NetR28_U_VoltageAmplifier352_2: 
NetR28_U_VoltageAmplifier353_2: 
NetR28_U_VoltageAmplifier354_2: 
NetR28_U_VoltageAmplifier361_2: 
NetR28_U_VoltageAmplifier362_2: 
NetR28_U_VoltageAmplifier363_2: 
NetR28_U_VoltageAmplifier364_2: 
NetR28_U_VoltageAmplifier371_2: 
NetR28_U_VoltageAmplifier372_2: 
NetR28_U_VoltageAmplifier373_2: 
NetR28_U_VoltageAmplifier374_2: 
NetR28_U_VoltageAmplifier381_2: 
NetR28_U_VoltageAmplifier382_2: 
NetR28_U_VoltageAmplifier383_2: 
NetR28_U_VoltageAmplifier384_2: 
NetR29_U_VoltageAmplifier11_1: 
NetR29_U_VoltageAmplifier12_1: 
NetR29_U_VoltageAmplifier13_1: 
NetR29_U_VoltageAmplifier14_1: 
NetR29_U_VoltageAmplifier21_1: 
NetR29_U_VoltageAmplifier22_1: 
NetR29_U_VoltageAmplifier23_1: 
NetR29_U_VoltageAmplifier24_1: 
NetR29_U_VoltageAmplifier31_1: 
NetR29_U_VoltageAmplifier32_1: 
NetR29_U_VoltageAmplifier33_1: 
NetR29_U_VoltageAmplifier34_1: 
NetR29_U_VoltageAmplifier41_1: 
NetR29_U_VoltageAmplifier42_1: 
NetR29_U_VoltageAmplifier43_1: 
NetR29_U_VoltageAmplifier44_1: 
NetR29_U_VoltageAmplifier51_1: 
NetR29_U_VoltageAmplifier52_1: 
NetR29_U_VoltageAmplifier53_1: 
NetR29_U_VoltageAmplifier54_1: 
NetR29_U_VoltageAmplifier61_1: 
NetR29_U_VoltageAmplifier62_1: 
NetR29_U_VoltageAmplifier63_1: 
NetR29_U_VoltageAmplifier64_1: 
NetR29_U_VoltageAmplifier71_1: 
NetR29_U_VoltageAmplifier72_1: 
NetR29_U_VoltageAmplifier73_1: 
NetR29_U_VoltageAmplifier74_1: 
NetR29_U_VoltageAmplifier81_1: 
NetR29_U_VoltageAmplifier82_1: 
NetR29_U_VoltageAmplifier83_1: 
NetR29_U_VoltageAmplifier84_1: 
NetR29_U_VoltageAmplifier91_1: 
NetR29_U_VoltageAmplifier92_1: 
NetR29_U_VoltageAmplifier93_1: 
NetR29_U_VoltageAmplifier94_1: 
NetR29_U_VoltageAmplifier101_1: 
NetR29_U_VoltageAmplifier102_1: 
NetR29_U_VoltageAmplifier103_1: 
NetR29_U_VoltageAmplifier104_1: 
NetR29_U_VoltageAmplifier111_1: 